# KiCad board flex.kicad_pcb (continued)
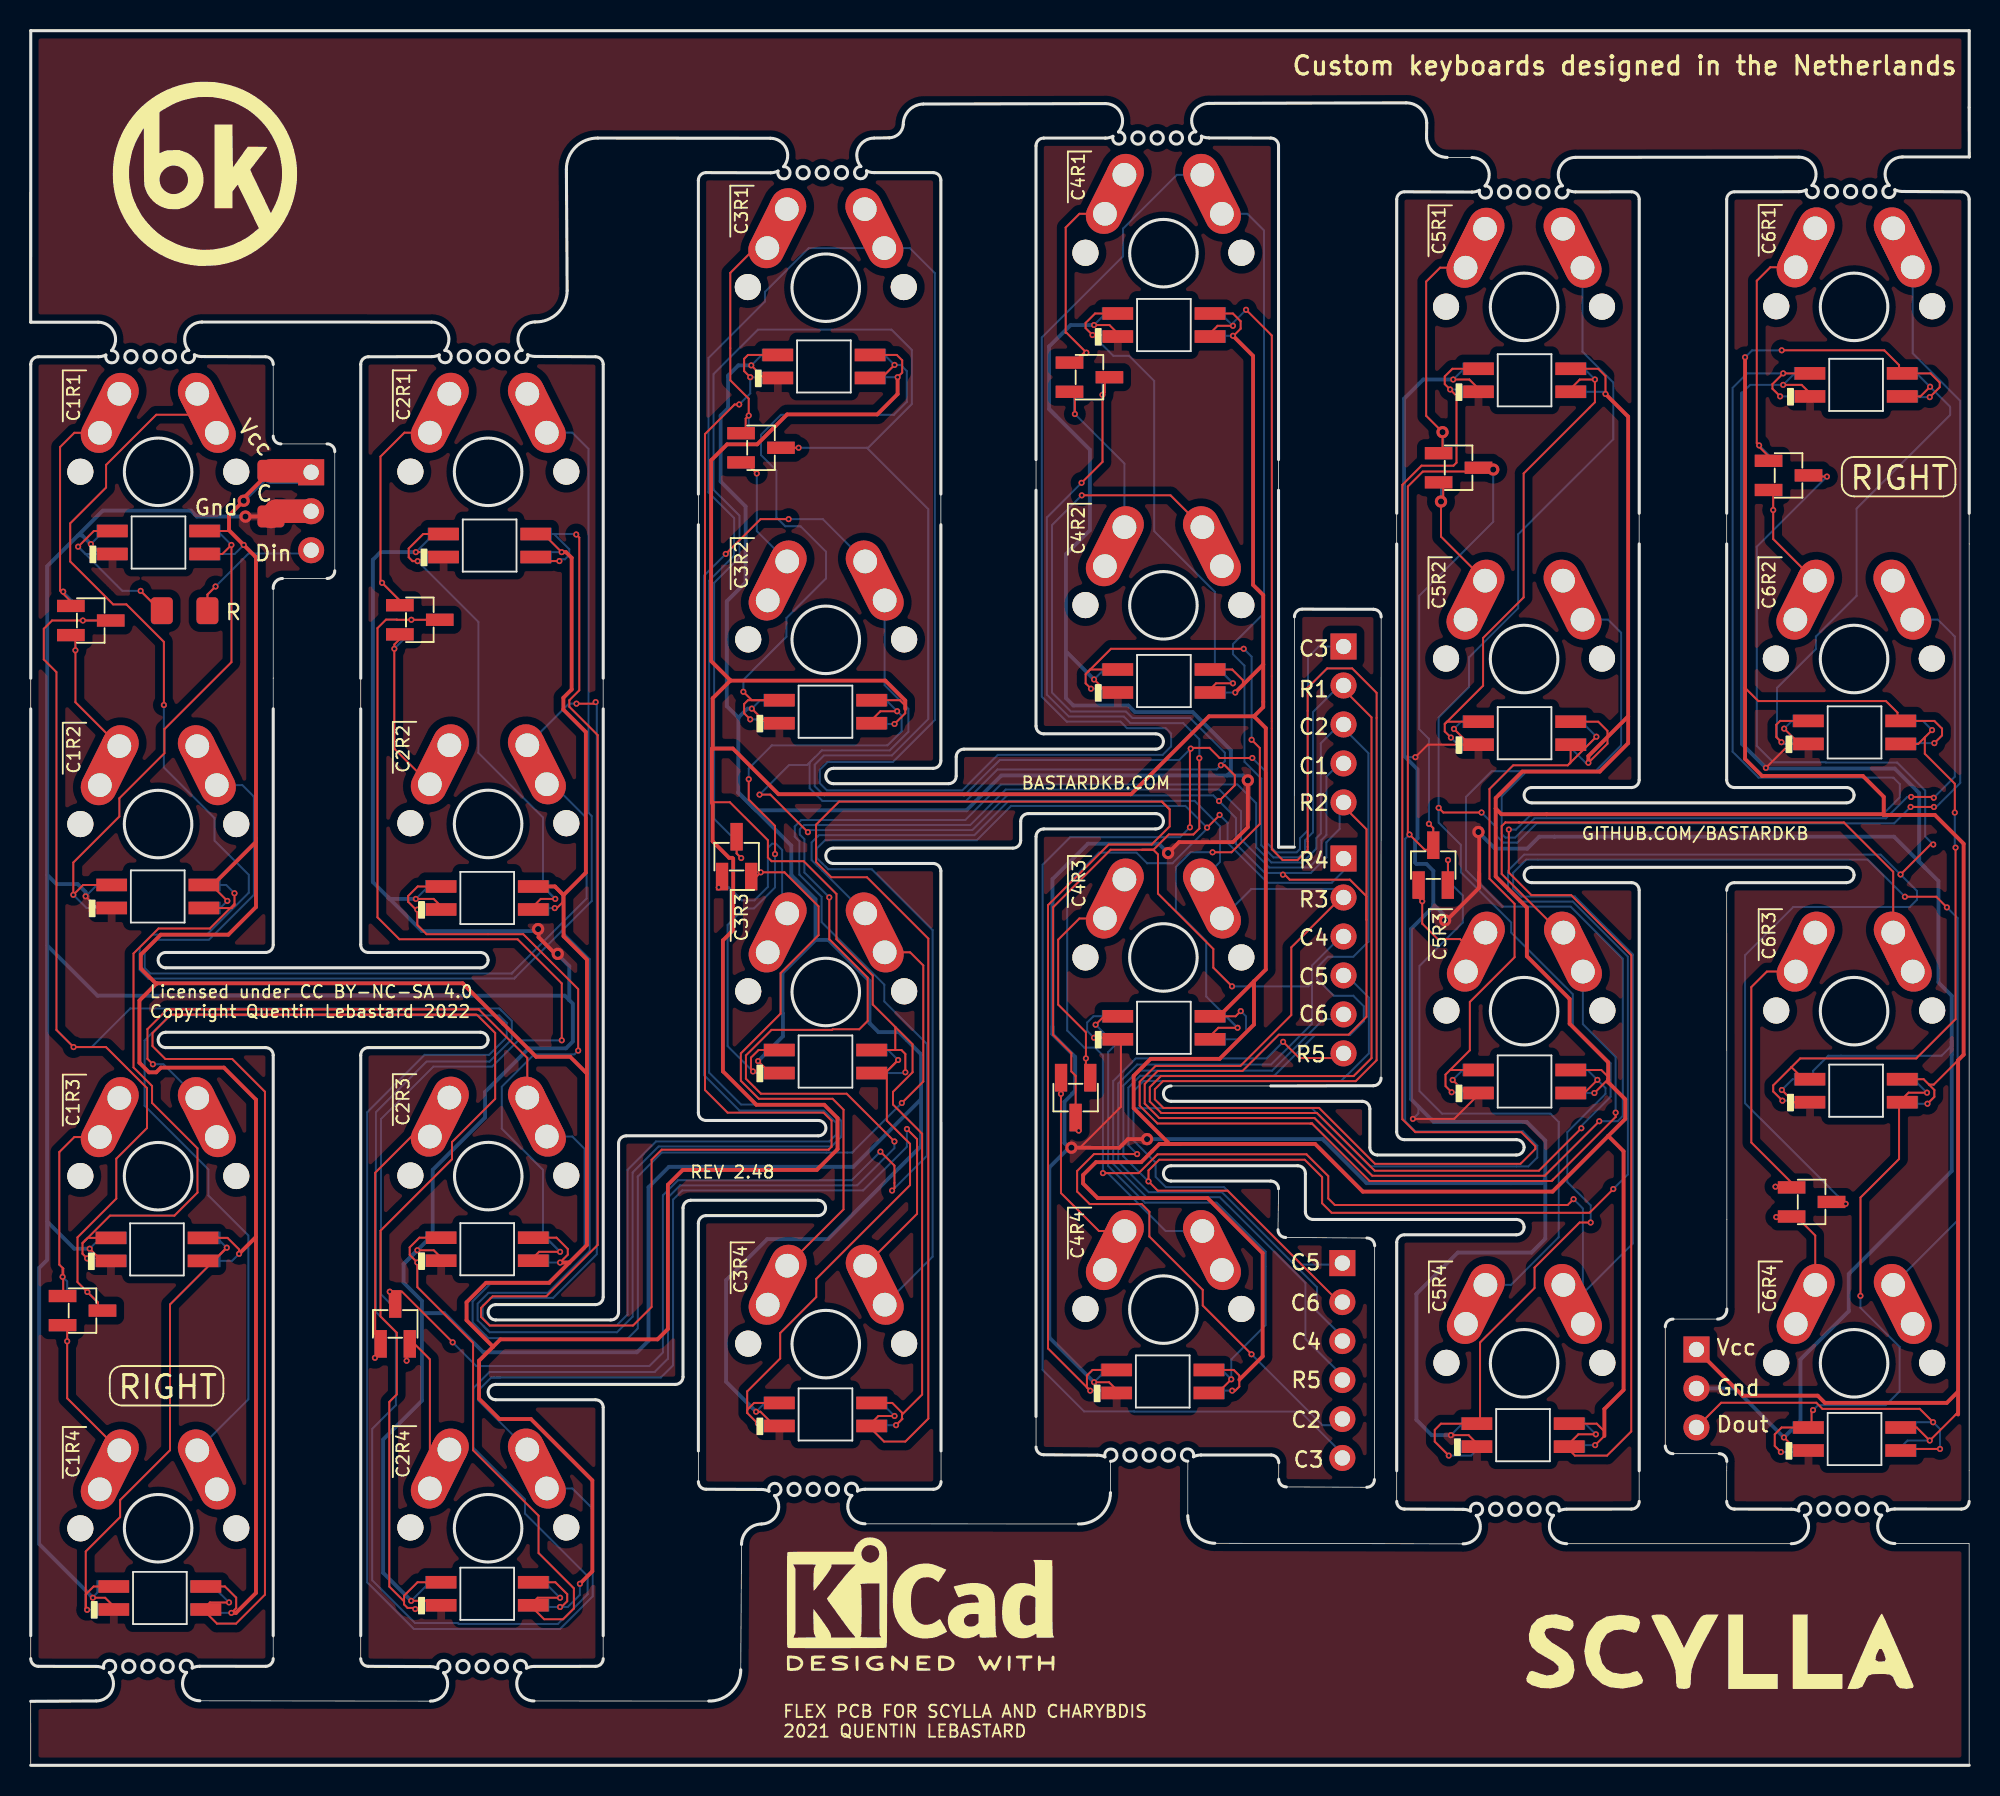
[diagram p0: board, top side]
## Routing (per net, layer and track width the routed paths; a pad name or vN(x,y) marks a point on that pad's centre or on a via; arc(x,y) is an arc through that point) (continued)
Net-(D53-Pad1): length 38.9
  Top w0.13: v1(123.75,89.85) 123.13,89.22 121.73,89.22 ; v1(114.07,66.68) 113.73,67.02 113.73,67.82 113.98,68.07 116.03,68.07
  Bottom w0.13: 121.73,90.72 122.88,90.72 v1(123.75,89.85) 125.06,88.54 125.06,88 118.96,81.91 118.96,76.22 116.32,73.57 116.32,72.76 113.78,70.22 113.78,66.97 v1(114.07,66.68) 114.18,66.57 116.03,66.57
Net-(D55-Pad1): length 42.7
  Top w0.13: v1(125.42,59.81) 125.42,48.63 122.85,46.07 115.29,46.07 114.72,45.5 ; D57.3 115.51,44.72 114.72,45.5 ; 123.41,66.99 123.41,65.93 125.36,63.97 v1(125.36,62.09) ; 123.41,66.99 122.98,66.57 121.63,66.57 ; 123.41,66.99 v1(123.88,67.47) ; v1(114.13,43.32) 113.53,43.92 113.53,44.32 114.72,45.5
  Bottom w0.13: v1(125.42,59.81) 125.36,59.86 v1(125.36,62.09) ; v1(123.88,67.47) 123.28,68.07 121.63,68.07 ; v1(114.13,43.32) 116.03,43.32
Net-(D57-Pad1): length 38.3
  Top w0.13: v1(123.55,43.84) 122.35,43.84 121.73,43.22 121.73,39.51 119.22,37 v1(119.22,30.6) ; v1(114.03,20.42) 113.63,20.82 113.63,21.57 114.08,22.02 116.03,22.02 116.03,23.05 v1(116.13,23.15)
  Bottom w0.13: 121.73,44.72 122.68,44.72 v1(123.55,43.84) ; v1(116.13,23.15) 116.45,23.47 120.86,23.47 121.77,24.38 121.77,27.27 119.22,29.82 v1(119.22,30.6) ; v1(114.03,20.42) 115.93,20.42

## Copper pours and planes (outline as drawn; the poured copper is in the pictures)
Gnd on Top, Bottom: 135.25,116.37 134.85,-4.93 -6.15,-4.93 -6.35,119.47

## Text on the board
B.Fab: D | SW1 | SW_Push | SW2 | SW3 | SW4 | SW27 | SW5 | SW6 | SW7 | SW8 | SW28 | SW9 | SW29 | SW10 | SW11 | SW12 | SW13 | SW14 | SW15 | SW16 | SW17 | SW18 | SW30 | SW19 | SW20 | SW31 | SW21 | SW22 | SW24 | SW23 | SW25 | SW26 | SW32
B.Silkscreen: Licensed under CC BY-NC-SA 4.0 / Copyright Quentin Lebastard 2022 | FLEX PCB FOR SCYLLA AND CHARYBDIS / 2021 QUENTIN LEBASTARD | REV 2.48 | BASTARDKB.COM | GITHUB.COM/BASTARDKB | C1R3 | C1R4 | C1R1 | C1R2 | C2R2 | C2R3 | C2R4 | C2R1 | C3R4 | C3R1 | C3R2 | C3R3 | C4R4 | C4R3 | C4R1 | C4R2 | C5R1 | C5R2 | C5R4 | C5R3 | C6R1 | C6R2 | C6R3 | C6R4 | Vcc | Gnd | R | C | Din | C5 | C6 | C4 | R5 | C2 | C3 | R1 | C1 | R2 | R4 | R3 | Dout | Custom keyboards designed in the Netherlands | LEFT
F.Fab: J3 | J9 | J10 | J4 | J5 | J11 | J12 | J6 | J8 | J7 | J13 | J15 | SW1 | SW_Push | SW2 | SW3 | SW4 | SW27 | SW5 | SW6 | SW7 | SW8 | SW28 | SW9 | SW29 | SW10 | SW11 | SW12 | SW13 | SW14 | SW15 | SW16 | SW17 | SW18 | SW30 | SW19 | SW20 | SW31 | SW21 | SW22 | SW24 | SW23 | SW25 | SW26 | SW32 | Conn_01x02_Female | D | Conn_01x06_Female | Conn_01x07_Female | J1 | J2 | J14
F.Silkscreen: Licensed under CC BY-NC-SA 4.0 / Copyright Quentin Lebastard 2022 | FLEX PCB FOR SCYLLA AND CHARYBDIS / 2021 QUENTIN LEBASTARD | REV 2.48 | BASTARDKB.COM | GITHUB.COM/BASTARDKB | C1R3 | C1R4 | C1R1 | C1R2 | C2R2 | C2R3 | C2R4 | C2R1 | C3R4 | C3R1 | C3R2 | C3R3 | C4R4 | C4R1 | C4R2 | C4R3 | C5R1 | C5R2 | C5R4 | C5R3 | C6R1 | C6R2 | C6R3 | C6R4 | Vcc | Gnd | R | C | Din | C5 | C6 | C4 | R5 | C2 | C3 | R1 | C1 | R2 | R4 | R3 | Dout | Custom keyboards designed in the Netherlands | RIGHT
